# Altium PCB TwoFoot_PCB_m4T1Top2.PcbDoc (part 3 of 9)
Units mil, origin at the board's own origin, x right, y up, seen from the top; angles counter-clockwise.
Board outline 2525.58 x 2682.53 mil, 2 copper layers (Top Layer, Bottom Layer); 83 components, 113 nets, 349 pads, 87 vias.
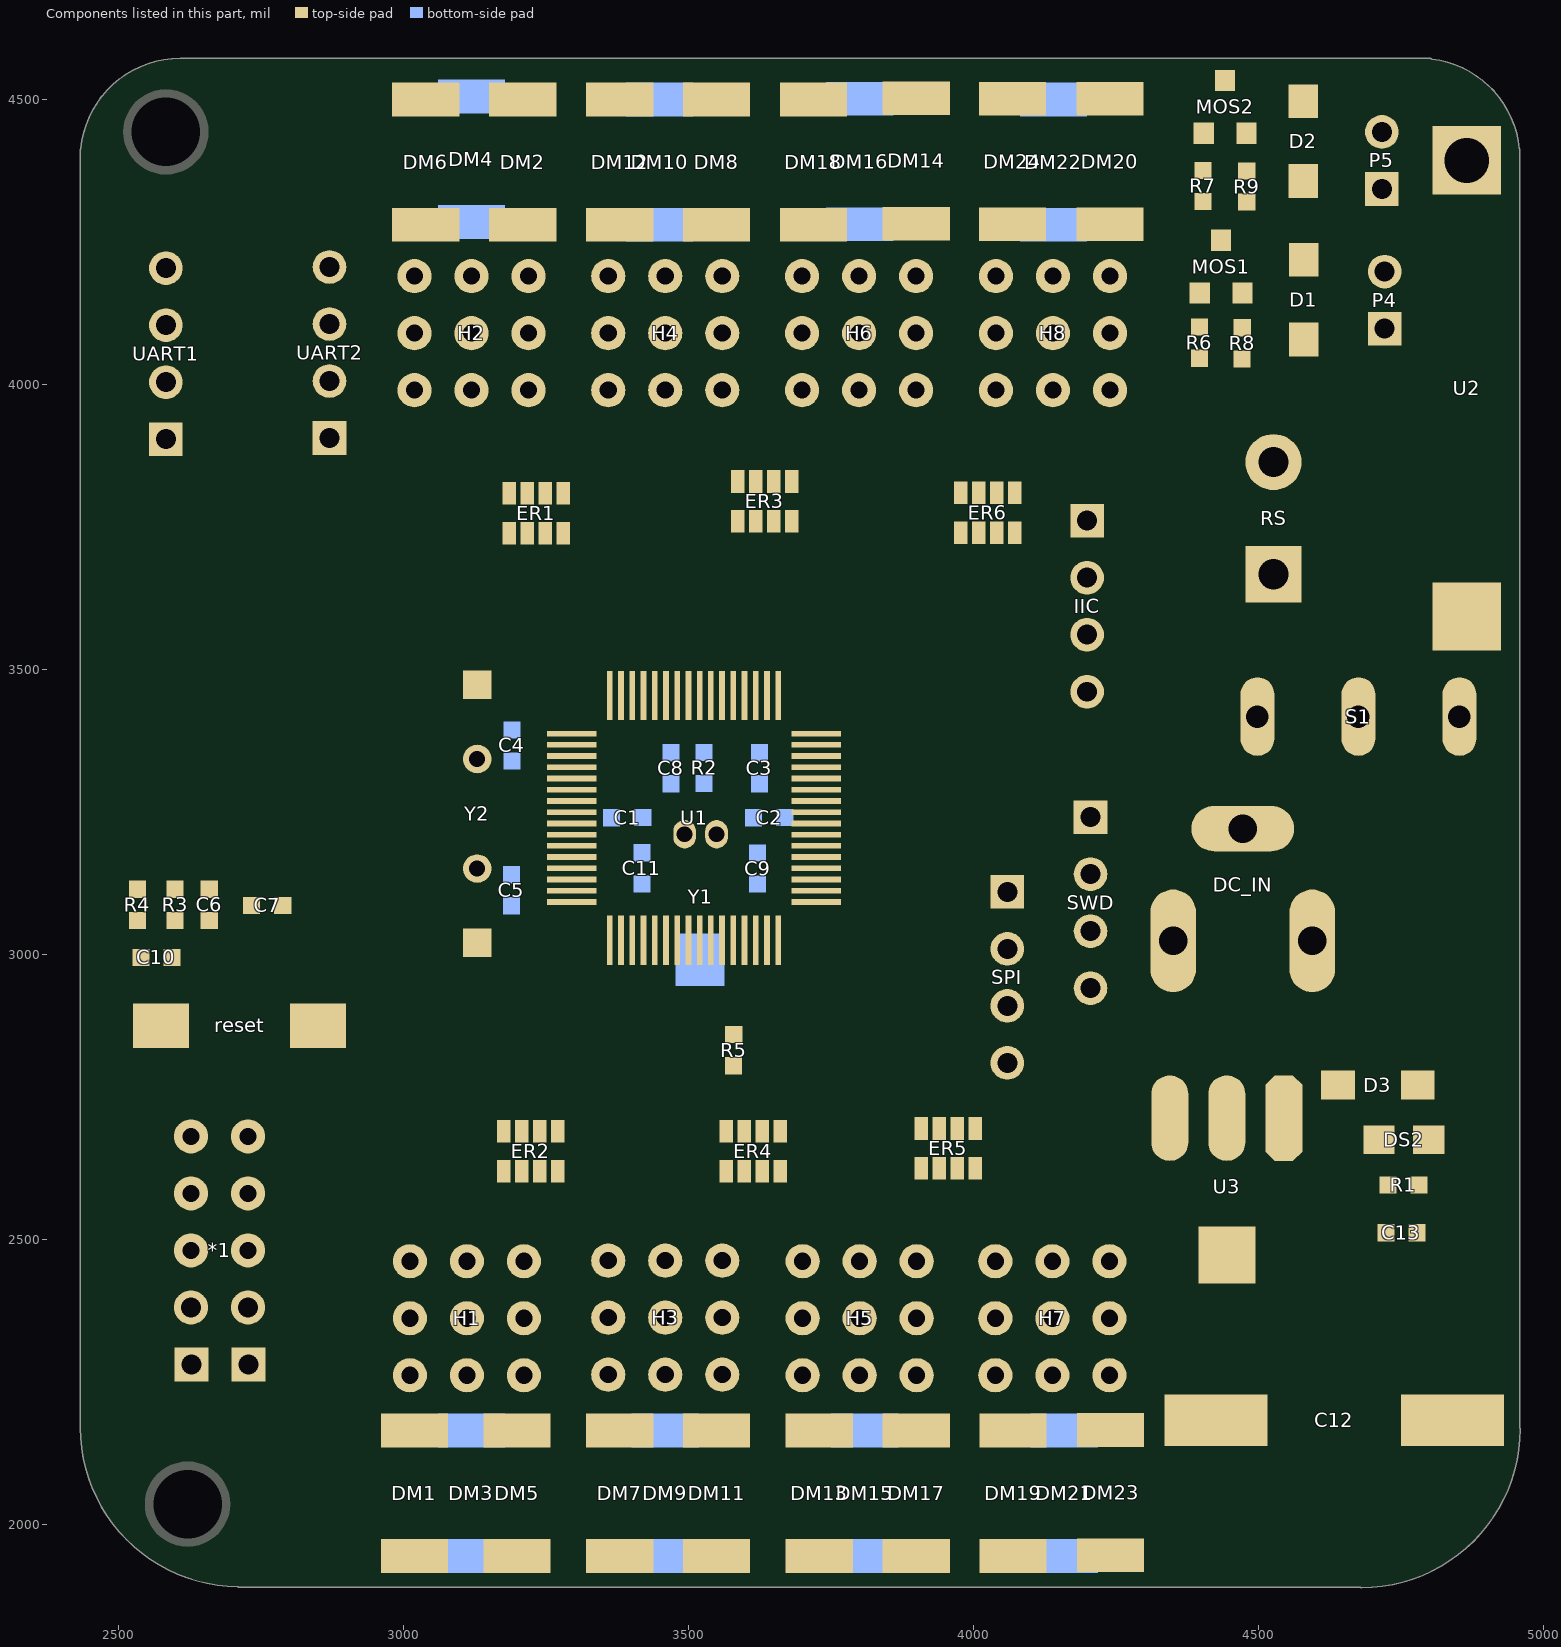
[diagram p3: the components of this part, seen from the top]

## Via types
v1: diameter 24, hole 12, Top Layer to Bottom Layer, 65 vias
v2: diameter 30, hole 20, Top Layer to Bottom Layer, 8 vias
v3: diameter 20, hole 15, Top Layer to Bottom Layer, 8 vias
v4: diameter 32, hole 15, Top Layer to Bottom Layer, 3 vias
v5: diameter 60, hole 45, Top Layer to Bottom Layer, 1 vias
v6: diameter 50, hole 35, Top Layer to Bottom Layer, 1 vias
v7: diameter 30, hole 15, Top Layer to Bottom Layer, 1 vias

## Nets (pads, with @x,y where several pads share a name; then routed paths per layer and width w, separated by ;. In a path a pad name is that pad's centre, name@x,y a point inside that pad or via, vN(x,y) a via of type N, cw(c..) or ccw(c..) an arc to the next point about the centre after c; other vN are vias at no path point) (continued)
copper on no net: (continued)
  Top Layer w0.6: 2632.8,3507.2 2632.8,3512.6 ; 2632.8,3516.2 2632.8,3521.6 ; 2632.8,3524 2632.8,3528.8 ; 2632.8,3532.4 2632.8,3537.2 ; 2632.8,3542.6 2632.8,3546.8 ; 2632.8,3547.4 2632.8,3553.4 ; 2632.8,3643.4 2632.8,3647.6 ; 2632.8,3648.2 2632.8,3650.6 ; 2632.8,3652.4 2632.8,3656 ; 2632.8,3662 2632.8,3666.2 ; 2632.8,3666.8 2632.8,3714.2 ; 2632.8,3716.6 2632.8,3728 ; 2633.4,3474.2 2633.4,3485.6 ; 2633.4,3487.4 2633.4,3537.2 ; 2633.4,3542.6 2633.4,3546.8 ; 2633.4,3547.4 2633.4,3554 ; 2633.4,3643.4 2633.4,3650.6 ; 2633.4,3652.4 2633.4,3655.4 ; 2633.4,3662 2633.4,3666.2 ; 2633.4,3667.4 2633.4,3716 ; 2633.4,3718.4 2633.4,3719 ; 2633.4,3719.6 2633.4,3726.8 ; 2634,3473.6 2634,3485.6 ; 2634,3487.4 2634,3537.2 ; 2634,3543.2 2634,3546.8 ; 2634,3547.4 2634,3554 ; 2634,3642.8 2634,3650 ; 2634,3651.8 2634,3655.4 ; 2634,3662 2634,3717.2 ; 2634,3720.2 2634,3726.8 ; 2634.6,3473.6 2634.6,3485.6 ; 2634.6,3487.4 2634.6,3537.8 ; 2634.6,3543.2 2634.6,3546.8 ; 2634.6,3547.4 2634.6,3554.6 ; 2634.6,3642.8 2634.6,3645.2 ; 2634.6,3645.8 2634.6,3646.4 ; 2634.6,3647 2634.6,3650 ; 2634.6,3651.8 2634.6,3655.4 ; 2634.6,3661.4 2634.6,3719.6 ; 2634.6,3720.2 2634.6,3726.8 ; 2635.2,3473.6 2635.2,3485.6 ; 2635.2,3487.4 2635.2,3537.8 ; 2635.2,3543.2 2635.2,3546.8 ; 2635.2,3547.4 2635.2,3554.6 ; 2635.2,3642.8 2635.2,3644 ; 2635.2,3644.6 2635.2,3645.2 ; 2635.2,3645.8 2635.2,3649.4 ; 2635.2,3651.8 2635.2,3655.4 ; 2635.2,3661.4 2635.2,3726.2 ; 2635.8,3473.6 2635.8,3485.6 ; 2635.8,3487.4 2635.8,3537.8 ; 2635.8,3543.2 2635.8,3546.8 ; 2635.8,3547.4 2635.8,3554.6 ; 2635.8,3642.2 2635.8,3649.4 ; 2635.8,3651.8 2635.8,3653 ; 2635.8,3653.6 2635.8,3657.2 ; 2635.8,3661.4 2635.8,3725 ; 2635.8,3725.6 2635.8,3726.2 ; 2636.4,3473.6 2636.4,3485.6 ; 2636.4,3487.4 2636.4,3537.8 ; 2636.4,3543.2 2636.4,3546.8 ; 2636.4,3547.4 2636.4,3554.6 ; 2636.4,3642.2 2636.4,3643.4 ; 2636.4,3644 2636.4,3649.4 ; 2636.4,3651.2 2636.4,3658.4 ; 2636.4,3660.8 2636.4,3726.2 ; 2637,3473.6 2637,3485.6 ; 2637,3487.4 2637,3537.8 ; 2637,3543.2 2637,3546.8 ; 2637,3547.4 2637,3551.6 ; 2637,3552.2 2637,3553.4 ; 2637,3554 2637,3554.6 ; 2637,3641.6 2637,3648.8 ; 2637,3651.2 2637,3659 ; 2637,3660.8 2637,3725.6 ; 2637.6,3473.6 2637.6,3476.6 ; 2637.6,3477.2 2637.6,3485.6 ; 2637.6,3487.4 2637.6,3537.8 ; 2637.6,3543.2 2637.6,3546.8 ; 2637.6,3547.4 2637.6,3554.6 ; 2637.6,3642.2 2637.6,3648.8 ; 2637.6,3650.6 2637.6,3652.4 ; 2637.6,3653 2637.6,3659.6 ; 2637.6,3660.2 2637.6,3725.6 ; 2638.2,3473 2638.2,3476.6 ; 2638.2,3477.2 2638.2,3485.6 ; 2638.2,3487.4 2638.2,3537.2 ; 2638.2,3538.4 2638.2,3546.8 ; 2638.2,3547.4 2638.2,3554.6 ; 2638.2,3641.6 2638.2,3648.8 ; 2638.2,3650.6 2638.2,3659.6 ; 2638.2,3660.2 2638.2,3725 ; 2638.8,3473 2638.8,3485.6 ; 2638.8,3487.4 2638.8,3537.8 ; 2638.8,3538.4 2638.8,3546.8 ; 2638.8,3547.4 2638.8,3554.6 ; 2638.8,3641 2638.8,3642.8 ; 2638.8,3643.4 2638.8,3648.2 ; 2638.8,3650.6 2638.8,3659 ; 2638.8,3660.2 2638.8,3725 ; 2639.4,3473 2639.4,3485.6 ; 2639.4,3487.4 2639.4,3546.8 ; 2639.4,3547.4 2639.4,3554.6 ; 2639.4,3641 2639.4,3642.8 ; 2639.4,3643.4 2639.4,3648.2 ; 2639.4,3650 2639.4,3659 ; 2639.4,3659.6 2639.4,3724.4 ; 2640,3473 2640,3482.6 ; 2640,3483.2 2640,3485.6 ; 2640,3487.4 2640,3546.8 ; 2640,3547.4 2640,3554.6 ; 2640,3640.4 2640,3647.6 ; 2640,3650 2640,3659 ; 2640,3659.6 2640,3723.8 ; 2640.6,3473 2640.6,3482.6 ; 2640.6,3483.2 2640.6,3485.6 ; 2640.6,3487.4 2640.6,3546.8 ; 2640.6,3547.4 2640.6,3554.6 ; 2640.6,3640.4 2640.6,3647.6 ; 2640.6,3650 2640.6,3658.4 ; 2640.6,3659.6 2640.6,3698.6 ; 2640.6,3699.2 2640.6,3699.8 ; 2640.6,3701 2640.6,3723.8 ; 2641.2,3473 2641.2,3482.6 ; 2641.2,3483.8 2641.2,3485.6 ; 2641.2,3487.4 2641.2,3546.8 ; 2641.2,3547.4 2641.2,3554.6 ; 2641.2,3639.8 2641.2,3647.6 ; 2641.2,3649.4 2641.2,3658.4 ; 2641.2,3659 2641.2,3699.8 ; 2641.2,3701 2641.2,3723.2 ; 2641.8,3473 2641.8,3482.6 ; 2641.8,3483.8 2641.8,3485.6 ; 2641.8,3487.4 2641.8,3546.8 ; 2641.8,3547.4 2641.8,3554.6 ; 2641.8,3639.8 2641.8,3647.6 ; 2641.8,3649.4 2641.8,3657.8 ; 2641.8,3659 2641.8,3699.2 ; 2641.8,3701.6 2641.8,3722.6 ; 2642.4,3473 2642.4,3482.6 ; 2642.4,3484.4 2642.4,3485.6 ; 2642.4,3487.4 2642.4,3546.8 ; 2642.4,3547.4 2642.4,3555.2 ; 2642.4,3639.8 2642.4,3647 ; 2642.4,3648.8 2642.4,3657.8 ; 2642.4,3659 2642.4,3699.2 ; 2642.4,3702.2 2642.4,3722.6 ; 2643,3473 2643,3482.6 ; 2643,3484.4 2643,3486.2 ; 2643,3487.4 2643,3546.8 ; 2643,3547.4 2643,3555.2 ; 2643,3639.8 2643,3647 ; 2643,3648.8 2643,3657.8 ; 2643,3658.4 2643,3698.6 ; 2643,3702.2 2643,3722 ; 2643.6,3473 2643.6,3482.6 ; 2643.6,3485 2643.6,3485.6 ; 2643.6,3487.4 2643.6,3546.8 ; 2643.6,3547.4 2643.6,3555.2 ; 2643.6,3639.2 2643.6,3646.4 ; 2643.6,3648.8 2643.6,3657.2 ; 2643.6,3658.4 2643.6,3698 ; 2643.6,3702.2 2643.6,3713 ; 2643.6,3714.8 2643.6,3716 ; 2643.6,3716.6 2643.6,3722 ; 2644.2,3473 2644.2,3482.6 ; 2644.2,3487.4 2644.2,3543.8 ; 2644.2,3544.4 2644.2,3546.8 ; 2644.2,3547.4 2644.2,3555.2 ; 2644.2,3639.2 2644.2,3646.4 ; 2644.2,3648.2 2644.2,3657.2 ; 2644.2,3658.4 2644.2,3697.4 ; 2644.2,3701.6 2644.2,3712.4 ; 2644.2,3718.4 2644.2,3720.8 ; 2644.8,3473 2644.8,3482.6 ; 2644.8,3487.4 2644.8,3543.8 ; 2644.8,3544.4 2644.8,3546.8 ; 2644.8,3547.4 2644.8,3555.2 ; 2644.8,3638.6 2644.8,3646.4 ; 2644.8,3648.2 2644.8,3657.2 ; 2644.8,3657.8 2644.8,3697.4 ; 2644.8,3701.6 2644.8,3710 ; 2644.8,3719 2644.8,3719.6 ; 2645.4,3473 2645.4,3482.6 ; 2645.4,3487.4 2645.4,3546.8 ; 2645.4,3547.4 2645.4,3555.2 ; 2645.4,3638.6 2645.4,3639.8 ; 2645.4,3640.4 2645.4,3645.8 ; 2645.4,3647.6 2645.4,3656.6 ; 2645.4,3657.8 2645.4,3699.2 ; 2645.4,3701 2645.4,3710 ; 2645.4,3717.8 2645.4,3720.8 ; 2646,3473 2646,3483.2 ; 2646,3487.4 2646,3546.8 ; 2646,3547.4 2646,3555.2 ; 2646,3638 2646,3645.8 ; 2646,3647.6 2646,3709.4 ; 2646,3711.2 2646,3712.4 ; 2646,3717.8 2646,3720.8 ; 2646.6,3473 2646.6,3483.2 ; 2646.6,3487.4 2646.6,3546.8 ; 2646.6,3547.4 2646.6,3555.2 ; 2646.6,3638 2646.6,3644 ; 2646.6,3644.6 2646.6,3645.8 ; 2646.6,3647.6 2646.6,3709.4 ; 2646.6,3711.2 2646.6,3714.2 ; 2646.6,3717.2 2646.6,3719.6 ; 2646.6,3720.2 2646.6,3720.8 ; 2647.2,3473 2647.2,3483.2 ; 2647.2,3485 2647.2,3486.2 ; 2647.2,3487.4 2647.2,3544.4 ; 2647.2,3545 2647.2,3546.8 ; 2647.2,3547.4 2647.2,3555.2 ; 2647.2,3638.6 2647.2,3645.2 ; 2647.2,3647.6 2647.2,3709.4 ; 2647.2,3710.6 2647.2,3714.2 ; 2647.2,3717.2 2647.2,3721.4 ; 2647.8,3473 2647.8,3483.2 ; 2647.8,3485 2647.8,3486.2 ; 2647.8,3487.4 2647.8,3546.8 ; 2647.8,3547.4 2647.8,3555.2 ; 2647.8,3638 2647.8,3645.2 ; 2647.8,3647.6 2647.8,3709.4 ; 2647.8,3710.6 2647.8,3714.2 ; 2647.8,3716.6 2647.8,3721.4 ; 2648.4,3473 2648.4,3483.2 ; 2648.4,3485 2648.4,3486.2 ; 2648.4,3487.4 2648.4,3546.8 ; 2648.4,3547.4 2648.4,3555.2 ; 2648.4,3637.4 2648.4,3645.2 ; 2648.4,3648.2 2648.4,3704.6 ; 2648.4,3705.8 2648.4,3708.8 ; 2648.4,3710.6 2648.4,3714.2 ; 2648.4,3716.6 2648.4,3721.4 ; 2649,3473 2649,3483.2 ; 2649,3485 2649,3486.2 ; 2649,3487.4 2649,3546.8 ; 2649,3547.4 2649,3555.2 ; 2649,3637.4 2649,3638 ; 2649,3638.6 2649,3644 ; 2649,3648.8 2649,3704.6 ; 2649,3705.8 2649,3708.8 ; 2649,3710 2649,3714.2 ; 2649,3716 2649,3721.4 ; 2649.6,3473 2649.6,3483.2 ; 2649.6,3485 2649.6,3486.2 ; 2649.6,3487.4 2649.6,3546.8 ; 2649.6,3547.4 2649.6,3555.2 ; 2649.6,3637.4 2649.6,3644.6 ; 2649.6,3648.8 2649.6,3704.6 ; 2649.6,3706.4 2649.6,3708.2 ; 2649.6,3710 2649.6,3713.6 ; 2649.6,3716 2649.6,3721.4 ; 2650.2,3473 2650.2,3483.2 ; 2650.2,3485 2650.2,3486.2 ; 2650.2,3487.4 2650.2,3546.8 ; 2650.2,3547.4 2650.2,3555.2 ; 2650.2,3636.8 2650.2,3644 ; 2650.2,3648.8 2650.2,3704.6 ; 2650.2,3705.8 2650.2,3708.2 ; 2650.2,3708.8 2650.2,3709.4 ; 2650.2,3710 2650.2,3713.6 ; 2650.2,3715.4 2650.2,3721.4 ; 2650.8,3473 2650.8,3483.2 ; 2650.8,3485 2650.8,3486.2 ; 2650.8,3488 2650.8,3546.8 ; 2650.8,3547.4 2650.8,3555.2 ; 2650.8,3636.8 2650.8,3644 ; 2650.8,3648.2 2650.8,3704 ; 2650.8,3705.8 2650.8,3707.6 ; 2650.8,3709.4 2650.8,3713.6 ; 2650.8,3715.4 2650.8,3718.4 ; 2650.8,3719 2650.8,3721.4 ; 2651.4,3473 2651.4,3483.2 ; 2651.4,3485 2651.4,3486.2 ; 2651.4,3487.4 2651.4,3546.8 ; 2651.4,3547.4 2651.4,3555.2 ; 2651.4,3636.8 2651.4,3641.6 ; 2651.4,3642.2 2651.4,3644 ; 2651.4,3648.2 2651.4,3704 ; 2651.4,3705.8 2651.4,3707.6 ; 2651.4,3708.2 2651.4,3708.8 ; 2651.4,3709.4 2651.4,3713 ; 2651.4,3715.4 2651.4,3721.4 ; 2652,3473 2652,3483.2 ; 2652,3485 2652,3486.2 ; 2652,3488 2652,3546.8 ; 2652,3547.4 2652,3555.2 ; 2652,3636.2 2652,3643.4 ; 2652,3648.2 2652,3704 ; 2652,3705.2 2652,3707.6 ; 2652,3708.8 2652,3713 ; 2652,3715.4 2652,3721.4 ; 2652.6,3473 2652.6,3483.2 ; 2652.6,3485 2652.6,3486.2 ; 2652.6,3487.4 2652.6,3546.8 ; 2652.6,3547.4 2652.6,3555.2 ; 2652.6,3636.2 2652.6,3643.4 ; 2652.6,3647.6 2652.6,3703.4 ; 2652.6,3705.2 2652.6,3707.6 ; 2652.6,3708.8 2652.6,3713 ; 2652.6,3714.8 2652.6,3721.4 ; 2653.2,3473 2653.2,3476 ; 2653.2,3476.6 2653.2,3483.2 ; 2653.2,3485 2653.2,3486.2 ; 2653.2,3487.4 2653.2,3543.2 ; 2653.2,3545 2653.2,3546.8 ; 2653.2,3547.4 2653.2,3555.2 ; 2653.2,3635.6 2653.2,3643.4 ; 2653.2,3647.6 2653.2,3703.4 ; 2653.2,3705.2 2653.2,3707 ; 2653.2,3708.8 2653.2,3712.4 ; 2653.2,3714.2 2653.2,3721.4 ; 2653.8,3473 2653.8,3476 ; 2653.8,3476.6 2653.8,3483.2 ; 2653.8,3485 2653.8,3486.2 ; 2653.8,3488 2653.8,3543.2 ; 2653.8,3545 2653.8,3546.8 ; 2653.8,3547.4 2653.8,3555.2 ; 2653.8,3635.6 2653.8,3642.8 ; 2653.8,3647 2653.8,3703.4 ; 2653.8,3704.6 2653.8,3707 ; 2653.8,3708.2 2653.8,3712.4 ; 2653.8,3714.2 2653.8,3721.4 ; 2654.4,3473 2654.4,3476 ; 2654.4,3476.6 2654.4,3483.2 ; 2654.4,3485 2654.4,3486.2 ; 2654.4,3488 2654.4,3543.2 ; 2654.4,3545 2654.4,3546.8 ; 2654.4,3547.4 2654.4,3555.2 ; 2654.4,3635.6 2654.4,3636.2 ; 2654.4,3636.8 2654.4,3642.8 ; 2654.4,3647 2654.4,3702.8 ; 2654.4,3704.6 2654.4,3706.4 ; 2654.4,3708.2 2654.4,3712.4 ; 2654.4,3713.6 2654.4,3720.8 ; 2655,3473 2655,3474.2 ; 2655,3475.4 2655,3476 ; 2655,3476.6 2655,3483.2 ; 2655,3485 2655,3486.2 ; 2655,3488 2655,3543.2 ; 2655,3545 2655,3546.8 ; 2655,3547.4 2655,3555.2 ; 2655,3635 2655,3642.8 ; 2655,3647 2655,3702.8 ; 2655,3704.6 2655,3706.4 ; 2655,3708.2 2655,3711.8 ; 2655,3713.6 2655,3720.8 ; 2655.6,3473 2655.6,3474.2 ; 2655.6,3476.6 2655.6,3483.2 ; 2655.6,3485 2655.6,3486.2 ; 2655.6,3488 2655.6,3543.2 ; 2655.6,3545 2655.6,3546.8 ; 2655.6,3547.4 2655.6,3555.2 ; 2655.6,3635 2655.6,3642.2 ; 2655.6,3644 2655.6,3702.8 ; 2655.6,3704 2655.6,3706.4 ; 2655.6,3707.6 2655.6,3711.8 ; 2655.6,3713.6 2655.6,3720.8 ; 2656.2,3473 2656.2,3474.2 ; 2656.2,3476.6 2656.2,3483.2 ; 2656.2,3485 2656.2,3486.2 ; 2656.2,3488 2656.2,3543.2 ; 2656.2,3545 2656.2,3546.8 ; 2656.2,3547.4 2656.2,3555.2 ; 2656.2,3635 2656.2,3642.2 ; 2656.2,3644 2656.2,3702.2 ; 2656.2,3704 2656.2,3705.8 ; 2656.2,3707.6 2656.2,3711.2 ; 2656.2,3713 2656.2,3720.8 ; 2656.8,3473 2656.8,3474.2 ; 2656.8,3476.6 2656.8,3483.2 ; 2656.8,3485 2656.8,3486.2 ; 2656.8,3488 2656.8,3543.2 ; 2656.8,3545 2656.8,3546.8 ; 2656.8,3547.4 2656.8,3548.6 ; 2656.8,3549.2 2656.8,3555.2 ; 2656.8,3634.4 2656.8,3641.6 ; 2656.8,3643.4 2656.8,3702.2 ; 2656.8,3704 2656.8,3705.8 ; 2656.8,3707 2656.8,3711.2 ; 2656.8,3713 2656.8,3720.2 ; 2657.4,3473 2657.4,3474.2 ; 2657.4,3476.6 2657.4,3483.2 ; 2657.4,3485 2657.4,3486.2 ; 2657.4,3488 2657.4,3543.2 ; 2657.4,3545 2657.4,3546.8 ; 2657.4,3547.4 2657.4,3548.6 ; 2657.4,3549.2 2657.4,3555.2 ; 2657.4,3634.4 2657.4,3641.6 ; 2657.4,3643.4 2657.4,3702.2 ; 2657.4,3703.4 2657.4,3705.8 ; 2657.4,3707 2657.4,3710.6 ; 2657.4,3712.4 2657.4,3720.2 ; 2658,3473 2658,3474.2 ; 2658,3476.6 2658,3482.6 ; 2658,3485 2658,3486.2 ; 2658,3488 2658,3543.2 ; 2658,3545 2658,3546.8 ; 2658,3547.4 2658,3548.6 ; 2658,3549.2 2658,3555.2 ; 2658,3634.4 2658,3641.6 ; 2658,3643.4 2658,3701.6 ; 2658,3703.4 2658,3705.2 ; 2658,3707 2658,3710 ; 2658,3712.4 2658,3719.6 ; 2658.6,3473 2658.6,3474.2 ; 2658.6,3477.2 2658.6,3483.2 ; 2658.6,3485 2658.6,3486.2 ; 2658.6,3488 2658.6,3543.2 ; 2658.6,3545.6 2658.6,3546.8 ; 2658.6,3547.4 2658.6,3548.6 ; 2658.6,3549.2 2658.6,3555.2 ; 2658.6,3634.4 2658.6,3641 ; 2658.6,3642.8 2658.6,3701.6 ; 2658.6,3702.8 2658.6,3705.2 ; 2658.6,3706.4 2658.6,3710 ; 2658.6,3712.4 2658.6,3719.6 ; 2659.2,3473 2659.2,3473.6 ; 2659.2,3477.2 2659.2,3483.2 ; 2659.2,3485 2659.2,3543.2 ; 2659.2,3545 2659.2,3546.8 ; 2659.2,3547.4 2659.2,3548.6 ; 2659.2,3549.2 2659.2,3555.2 ; 2659.2,3633.8 2659.2,3641 ; 2659.2,3642.8 2659.2,3701.6 ; 2659.2,3702.8 2659.2,3704.6 ; 2659.2,3707 2659.2,3709.4 ; 2659.2,3711.8 2659.2,3719.6 ; 2659.8,3473 2659.8,3473.6 ; 2659.8,3477.2 2659.8,3483.2 ; 2659.8,3485 2659.8,3543.2 ; 2659.8,3545 2659.8,3546.8 ; 2659.8,3547.4 2659.8,3555.2 ; 2659.8,3633.8 2659.8,3641 ; 2659.8,3642.8 2659.8,3651.8 ; 2659.8,3652.4 2659.8,3701 ; 2659.8,3702.8 2659.8,3704.6 ; 2659.8,3706.4 2659.8,3709.4 ; 2659.8,3711.8 2659.8,3719 ; 2660.4,3477.8 2660.4,3483.2 ; 2660.4,3485 2660.4,3544.4 ; 2660.4,3545 2660.4,3546.8 ; 2660.4,3547.4 2660.4,3555.2 ; 2660.4,3633.8 2660.4,3639.2 ; 2660.4,3639.8 2660.4,3640.4 ; 2660.4,3642.2 2660.4,3651.2 ; 2660.4,3652.4 2660.4,3701 ; 2660.4,3702.2 2660.4,3704.6 ; 2660.4,3707 2660.4,3707.6 ; 2660.4,3708.2 2660.4,3708.8 ; 2660.4,3711.2 2660.4,3719 ; 2661,3477.8 2661,3483.2 ; 2661,3485 2661,3546.8 ; 2661,3547.4 2661,3555.2 ; 2661,3633.2 2661,3640.4 ; 2661,3642.2 2661,3651.2 ; 2661,3651.8 2661,3700.4 ; 2661,3701.6 2661,3704 ; 2661,3711.2 2661,3716.6 ; 2661,3717.2 2661,3719 ; 2661.6,3477.2 2661.6,3483.2 ; 2661.6,3485 2661.6,3546.8 ; 2661.6,3547.4 2661.6,3555.2 ; 2661.6,3633.2 2661.6,3640.4 ; 2661.6,3642.2 2661.6,3650.6 ; 2661.6,3651.8 2661.6,3700.4 ; 2661.6,3701.6 2661.6,3704 ; 2661.6,3711.2 2661.6,3716.6 ; 2661.6,3717.8 2661.6,3719 ; 2662.2,3477.2 2662.2,3483.2 ; 2662.2,3485.6 2662.2,3546.8 ; 2662.2,3547.4 2662.2,3555.2 ; 2662.2,3633.2 2662.2,3639.8 ; 2662.2,3641.6 2662.2,3650.6 ; 2662.2,3651.8 2662.2,3700.4 ; 2662.2,3701 2662.2,3703.4 ; 2662.2,3710.6 2662.2,3716.6 ; 2662.2,3717.8 2662.2,3718.4 ; 2662.8,3477.2 2662.8,3483.2 ; 2662.8,3485.6 2662.8,3546.8 ; 2662.8,3547.4 2662.8,3555.2 ; 2662.8,3633.2 2662.8,3639.8 ; 2662.8,3641.6 2662.8,3650.6 ; 2662.8,3651.2 2662.8,3703.4 ; 2662.8,3705.2 2662.8,3705.8 ; 2662.8,3710.6 2662.8,3716 ; 2663.4,3477.2 2663.4,3482.6 ; 2663.4,3485.6 2663.4,3546.8 ; 2663.4,3547.4 2663.4,3555.2 ; 2663.4,3632.6 2663.4,3639.2 ; 2663.4,3641.6 2663.4,3650 ; 2663.4,3651.2 2663.4,3703.4 ; 2663.4,3704.6 2663.4,3706.4 ; 2663.4,3710 2663.4,3715.4 ; 2664,3477.2 2664,3483.2 ; 2664,3486.2 2664,3546.8 ; 2664,3547.4 2664,3555.2 ; 2664,3632.6 2664,3638 ; 2664,3638.6 2664,3640.4 ; 2664,3641.6 2664,3650 ; 2664,3651.2 2664,3702.8 ; 2664,3704.6 2664,3706.4 ; 2664,3710 2664,3714.8 ; 2664.6,3477.2 2664.6,3483.2 ; 2664.6,3486.2 2664.6,3546.8 ; 2664.6,3547.4 2664.6,3555.2 ; 2664.6,3632.6 2664.6,3638 ; 2664.6,3638.6 2664.6,3640.4 ; 2664.6,3641 2664.6,3650 ; 2664.6,3651.2 2664.6,3702.8 ; 2664.6,3704.6 2664.6,3705.8 ; 2664.6,3710 2664.6,3714.8 ; 2665.2,3477.2 2665.2,3483.2 ; 2665.2,3486.2 2665.2,3490.4 ; 2665.2,3491 2665.2,3546.8 ; 2665.2,3547.4 2665.2,3555.2 ; 2665.2,3632 2665.2,3638.6 ; 2665.2,3639.2 2665.2,3649.4 ; 2665.2,3650.6 2665.2,3702.2 ; 2665.2,3704.6 2665.2,3705.8 ; 2665.2,3709.4 2665.2,3714.8 ; 2665.8,3477.2 2665.8,3483.2 ; 2665.8,3486.2 2665.8,3490.4 ; 2665.8,3491 2665.8,3546.8 ; 2665.8,3547.4 2665.8,3555.2 ; 2665.8,3632 2665.8,3633.8 ; 2665.8,3634.4 2665.8,3649.4 ; 2665.8,3650.6 2665.8,3702.2 ; 2665.8,3704 2665.8,3705.8 ; 2665.8,3709.4 2665.8,3714.8 ; 2666.4,3477.2 2666.4,3483.2 ; 2666.4,3486.2 2666.4,3490.4 ; 2666.4,3491 2666.4,3546.8 ; 2666.4,3547.4 2666.4,3548 ; 2666.4,3548.6 2666.4,3555.2 ; 2666.4,3632 2666.4,3649.4 ; 2666.4,3650 2666.4,3702.2 ; 2666.4,3704 2666.4,3705.2 ; 2666.4,3709.4 2666.4,3713.6 ; 2667,3477.2 2667,3483.2 ; 2667,3486.2 2667,3490.4 ; 2667,3491 2667,3546.8 ; 2667,3547.4 2667,3555.2 ; 2667,3632 2667,3642.2 ; 2667,3645.2 2667,3648.8 ; 2667,3650 2667,3701.6 ; 2667,3703.4 2667,3705.2 ; 2667,3708.8 2667,3713.6 ; 2667.6,3477.8 2667.6,3483.2 ; 2667.6,3486.2 2667.6,3490.4 ; 2667.6,3491 2667.6,3546.8 ; 2667.6,3547.4 2667.6,3555.2 ; 2667.6,3631.4 2667.6,3642.2 ; 2667.6,3647 2667.6,3648.8 ; 2667.6,3650 2667.6,3701.6 ; 2667.6,3703.4 2667.6,3705.2 ; 2667.6,3708.8 2667.6,3713 ; 2668.2,3478.4 2668.2,3483.2 ; 2668.2,3486.2 2668.2,3489.8 ; 2668.2,3491.6 2668.2,3546.2 ; 2668.2,3547.4 2668.2,3555.2 ; 2668.2,3631.4 2668.2,3642.8 ; 2668.2,3649.4 2668.2,3701.6 ; 2668.2,3703.4 2668.2,3704.6 ; 2668.2,3708.2 2668.2,3713 ; 2668.8,3477.8 2668.8,3483.2 ; 2668.8,3487.4 2668.8,3489.8 ; 2668.8,3491.6 2668.8,3546.8 ; 2668.8,3547.4 2668.8,3554.6 ; 2668.8,3631.4 2668.8,3632 ; 2668.8,3632.6 2668.8,3637.4 ; 2668.8,3638 2668.8,3643.4 ; 2668.8,3649.4 2668.8,3701 ; 2668.8,3702.8 2668.8,3704.6 ; 2668.8,3708.2 2668.8,3713 ; 2669.4,3477.8 2669.4,3483.2 ; 2669.4,3492.2 2669.4,3554.6 ; 2669.4,3631.4 2669.4,3642.2 ; 2669.4,3642.8 2669.4,3644 ; 2669.4,3648.8 2669.4,3700.4 ; 2669.4,3702.8 2669.4,3704.6 ; 2669.4,3708.2 2669.4,3711.8 ; 2669.4,3712.4 2669.4,3713 ; 2670,3477.8 2670,3483.2 ; 2670,3492.2 2670,3554.6 ; 2670,3631.4 2670,3642.8 ; 2670,3643.4 2670,3644.6 ; 2670,3648.8 2670,3700.4 ; 2670,3702.8 2670,3704 ; 2670,3707.6 2670,3711.8 ; 2670.6,3478.4 2670.6,3483.2 ; 2670.6,3493.4 2670.6,3554.6 ; 2670.6,3631.4 2670.6,3645.8 ; 2670.6,3648.8 2670.6,3700.4 ; 2670.6,3702.2 2670.6,3704 ; 2670.6,3707.6 2670.6,3711.2 ; 2671.2,3477.8 2671.2,3483.2 ; 2671.2,3493.4 2671.2,3537.8 ; 2671.2,3538.4 2671.2,3554.6 ; 2671.2,3630.8 2671.2,3646.4 ; 2671.2,3648.8 2671.2,3700.4 ; 2671.2,3702.2 2671.2,3703.4 ; 2671.2,3707 2671.2,3711.2 ; 2671.8,3477.8 2671.8,3483.2 ; 2671.8,3493.4 2671.8,3537.8 ; 2671.8,3543.8 2671.8,3554.6 ; 2671.8,3630.8 2671.8,3647.6 ; 2671.8,3648.8 2671.8,3699.8 ; 2671.8,3702.2 2671.8,3703.4 ; 2671.8,3707 2671.8,3711.2 ; 2672.4,3477.2 2672.4,3479 ; 2672.4,3479.6 2672.4,3483.2 ; 2672.4,3493.4 2672.4,3537.8 ; 2672.4,3543.8 2672.4,3554.6 ; 2672.4,3630.8 2672.4,3699.8 ; 2672.4,3701.6 2672.4,3703.4 ; 2672.4,3707 2672.4,3710.6 ; 2673,3476.6 2673,3483.2 ; 2673,3493.4 2673,3537.8 ; 2673,3543.8 2673,3554.6 ; 2673,3630.2 2673,3699.2 ; 2673,3701.6 2673,3702.8 ; 2673,3706.4 2673,3710.6 ; 2673.6,3476 2673.6,3480.2 ; 2673.6,3480.8 2673.6,3483.2 ; 2673.6,3493.4 2673.6,3537.2 ; 2673.6,3542.6 2673.6,3554.6 ; 2673.6,3630.2 2673.6,3699.2 ; 2673.6,3701 2673.6,3702.8 ; 2673.6,3706.4 2673.6,3710 ; 2674.2,3475.4 2674.2,3480.8 ; 2674.2,3482 2674.2,3484.4 ; 2674.2,3493.4 2674.2,3537.2 ; 2674.2,3541.4 2674.2,3554.6 ; 2674.2,3630.8 2674.2,3632 ; 2674.2,3632.6 2674.2,3702.8 ; 2674.2,3706.4 2674.2,3710 ; 2674.8,3475.4 2674.8,3479 ; 2674.8,3479.6 2674.8,3481.4 ; 2674.8,3482.6 2674.8,3485.6 ; 2674.8,3493.4 2674.8,3537.2 ; 2674.8,3539.6 2674.8,3554.6 ; 2674.8,3629.6 2674.8,3632 ; 2674.8,3632.6 2674.8,3695.6 ; 2674.8,3696.2 2674.8,3702.2 ; 2674.8,3705.8 2674.8,3710 ; 2675.4,3475.4 2675.4,3479.6 ; 2675.4,3480.2 2675.4,3482 ; 2675.4,3482.6 2675.4,3483.2 ; 2675.4,3483.8 2675.4,3488.6 ; 2675.4,3493.4 2675.4,3539.6 ; 2675.4,3540.2 2675.4,3554.6 ; 2675.4,3629.6 2675.4,3695.6 ; 2675.4,3696.2 2675.4,3702.2 ; 2675.4,3705.8 2675.4,3709.4 ; 2676,3475.4 2676,3485 ; 2676,3486.2 2676,3491 ; 2676,3493.4 2676,3554.6 ; 2676,3629 2676,3631.4 ; 2676,3632 2676,3695 ; 2676,3696.2 2676,3701.6 ; 2676,3705.8 2676,3709.4 ; 2676.6,3475.4 2676.6,3483.8 ; 2676.6,3484.4 2676.6,3488 ; 2676.6,3488.6 2676.6,3554 ; 2676.6,3629 2676.6,3630.8 ; 2676.6,3631.4 2676.6,3695 ; 2676.6,3696.2 2676.6,3701.6 ; 2676.6,3705.2 2676.6,3708.8 ; 2677.2,3475.4 2677.2,3483.8 ; 2677.2,3484.4 2677.2,3486.2 ; 2677.2,3488 2677.2,3488.6 ; 2677.2,3489.8 2677.2,3554 ; 2677.2,3629 2677.2,3629.6 ; 2677.2,3630.2 2677.2,3632 ; 2677.2,3632.6 2677.2,3694.4 ; 2677.2,3696.2 2677.2,3701.6 ; 2677.2,3705.2 2677.2,3708.8 ; 2677.8,3475.4 2677.8,3485 ; 2677.8,3485.6 2677.8,3488 ; 2677.8,3495.8 2677.8,3554 ; 2677.8,3628.4 2677.8,3629.6 ; 2677.8,3630.2 2677.8,3656.6 ; 2677.8,3657.2 2677.8,3694.4 ; 2677.8,3696.2 2677.8,3701 ; 2677.8,3704.6 2677.8,3708.8 ; 2678.4,3475.4 2678.4,3485.6 ; 2678.4,3490.4 2678.4,3492.2 ; 2678.4,3494.6 2678.4,3495.2 ; 2678.4,3499.4 2678.4,3554 ; 2678.4,3628.4 2678.4,3694.4 ; 2678.4,3696.2 2678.4,3699.8 ; 2678.4,3704.6 2678.4,3708.2 ; 2679,3475.4 2679,3483.8 ; 2679,3484.4 2679,3485.6 ; 2679,3486.2 2679,3488 ; 2679,3488.6 2679,3489.8 ; 2679,3494.6 2679,3495.2 ; 2679,3496.4 2679,3497 ; 2679,3502.4 2679,3503 ; 2679,3510.2 2679,3513.8 